# KiCad board KlusterLab r2.0.kicad_pcb (continued)
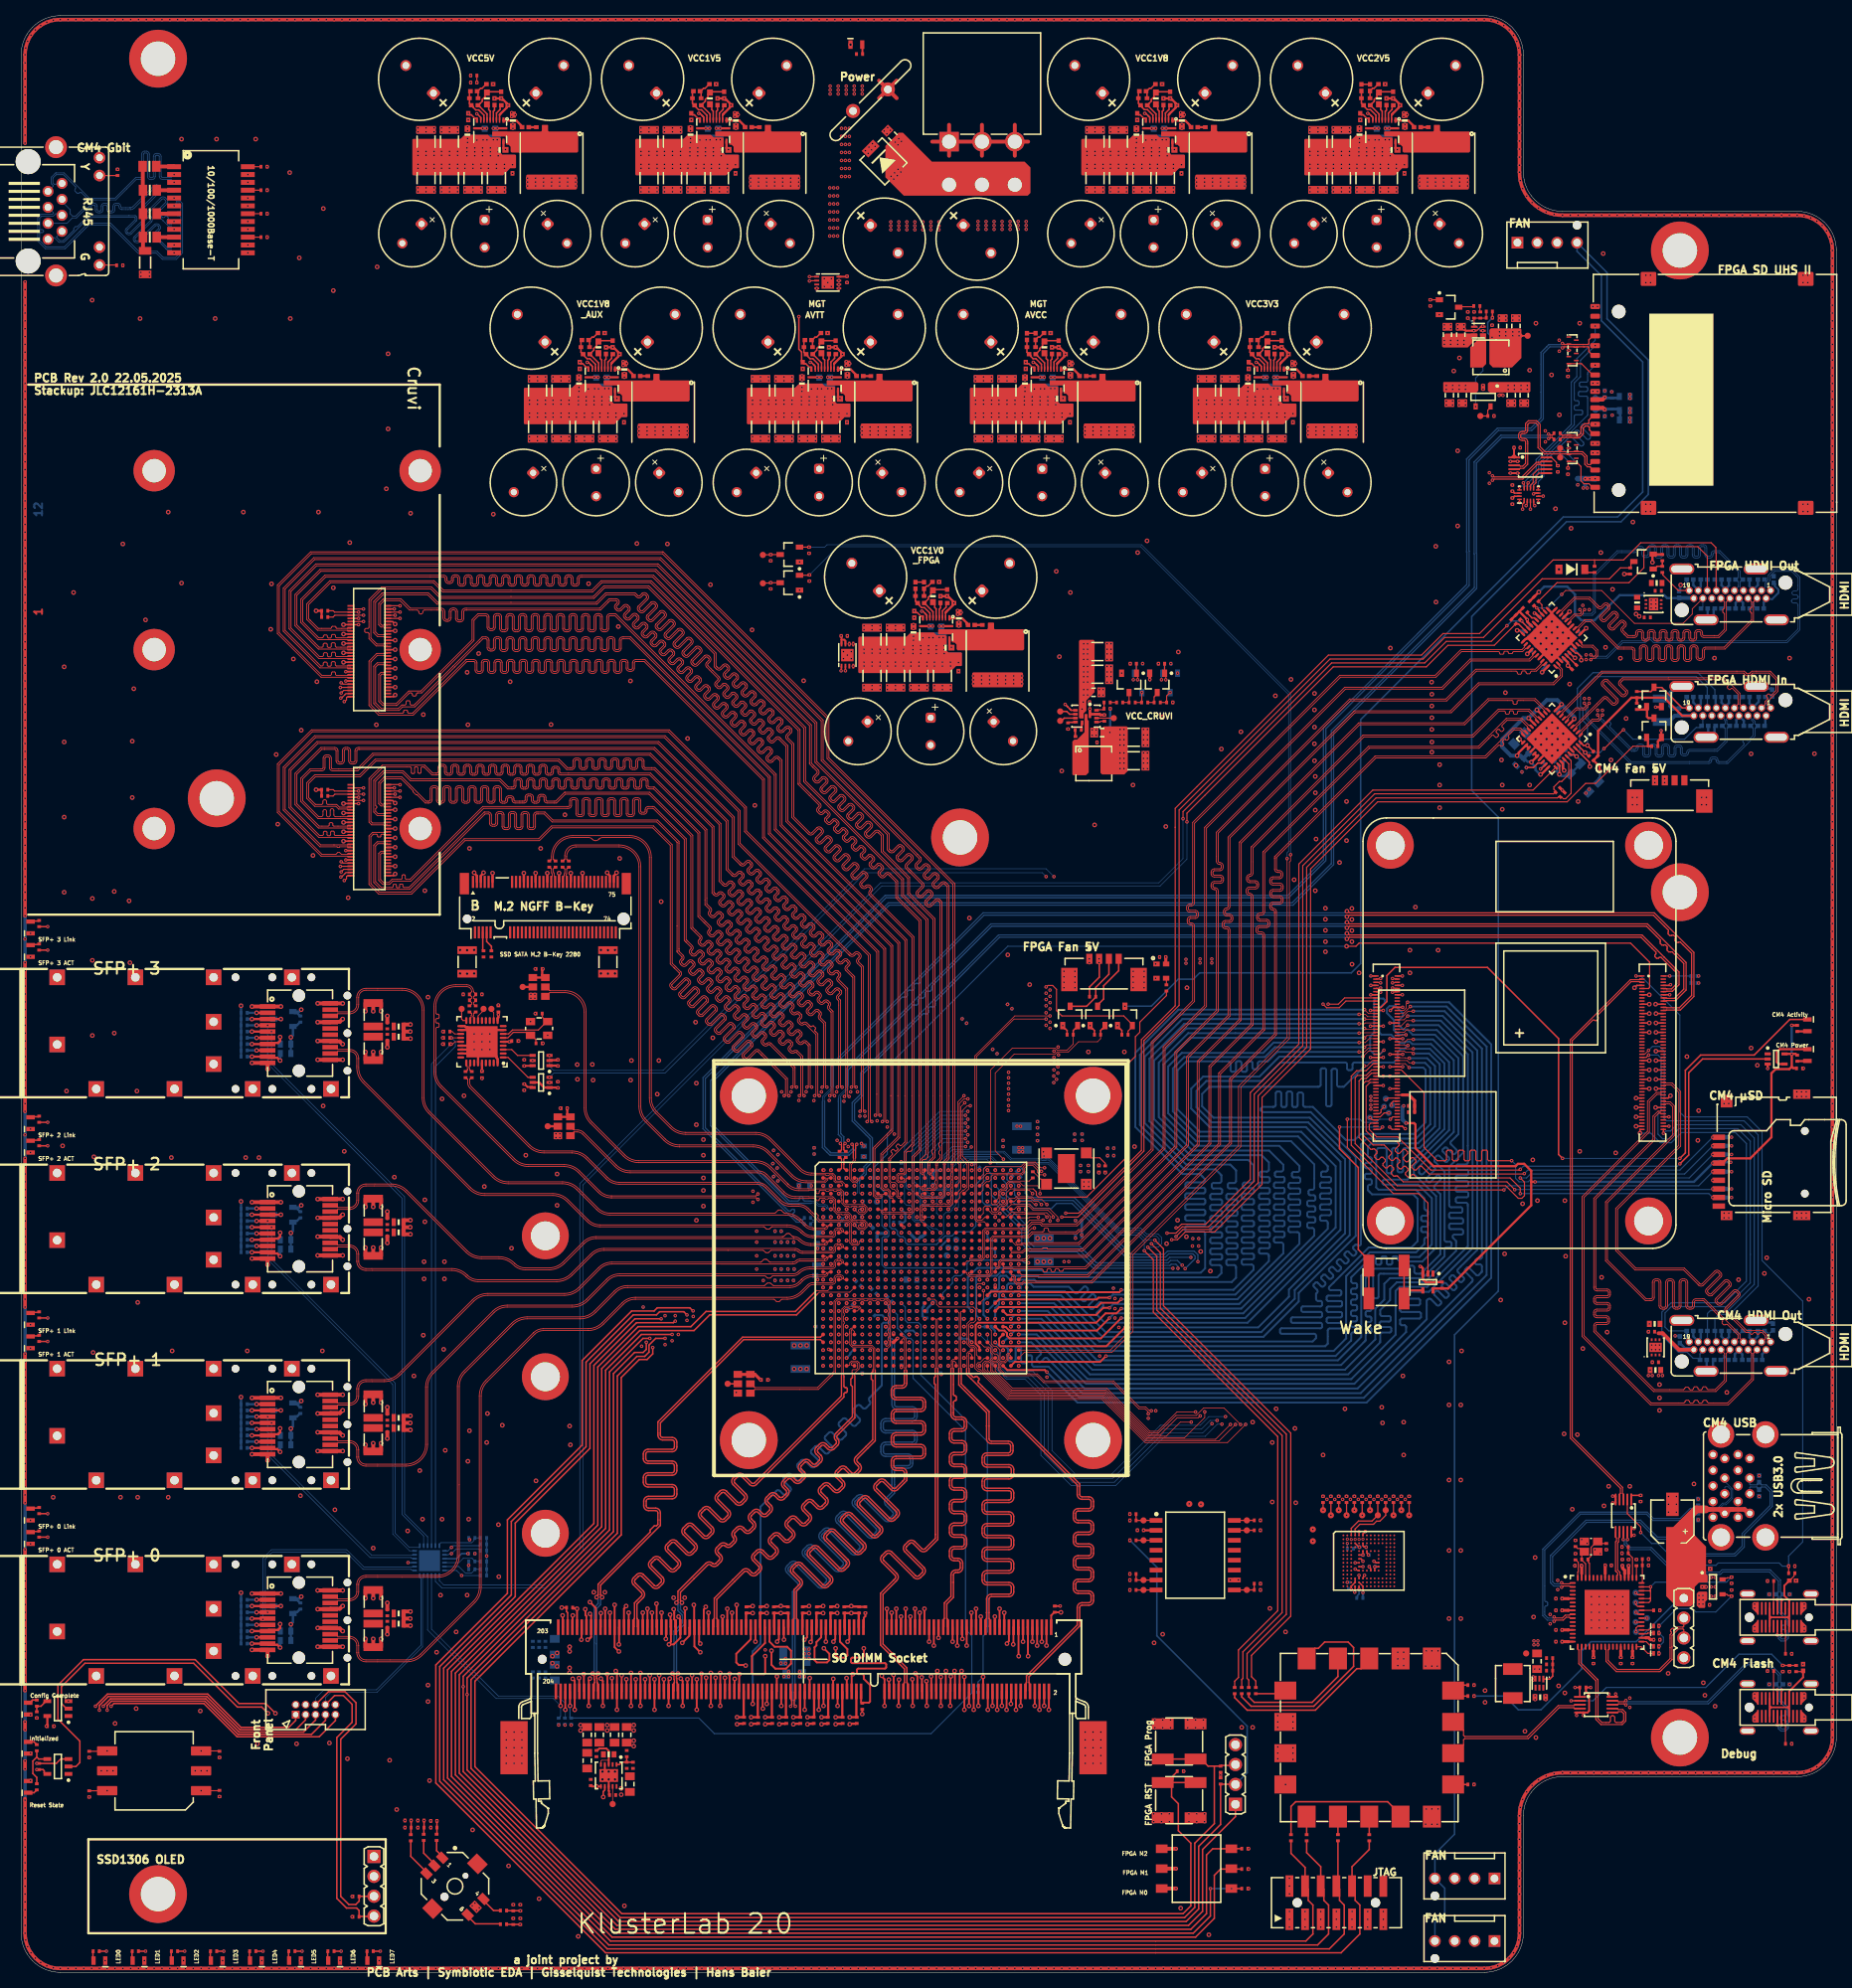
[diagram p0: board, top side]
## Routing (per net, layer and track width the routed paths; a pad name or vN(x,y) marks a point on that pad's centre or on a via; arc(x,y) is an arc through that point) (continued)
DDR3_CLK1_N: length 121.3
  L1 Top w0.189: J1.104 98.43,35.82 98.43,34.84 98.49,34.78 98.49,34.21
  L12 Bottom w0.1: 111.1,80.72 111.1,80.8 110.9,81 110.9,82.04 110.84,82.1 110.73,82.1 110.5,81.87 v1(110.5,81.5)
  L12 Bottom w0.189: 111.1,80.72 111.3,80.52 111.3,72.55 arc(111.48,72.11) 111.91,71.93 113.9,71.93 arc(114.11,71.85) 114.19,71.64 114.19,71.04 arc(114.11,70.83) 113.9,70.75 110.49,70.75 arc(110.06,70.57) 109.88,70.13 109.88,69.54 arc(110.06,69.11) 110.49,68.93 113.9,68.93 arc(114.11,68.84) 114.19,68.63 114.19,68.04 arc(114.11,67.82) 113.9,67.74 110.49,67.74 arc(110.06,67.56) 109.88,67.13 109.88,66.53 arc(110.06,66.1) 110.49,65.92 113.35,65.92 arc(113.56,65.83) 113.64,65.62 113.64,65.03 arc(113.56,64.82) 113.35,64.73 111.91,64.73 arc(111.48,64.55) 111.3,64.12 111.3,61.35 110.52,60.56 arc(110.34,60.13) 110.52,59.7 111.39,58.82 arc(111.48,58.61) 111.39,58.4 110.97,57.98 arc(110.76,57.89) 110.55,57.98 110.55,57.98 107.68,60.86 arc(107.24,61.04) 106.81,60.86 106.39,60.44 arc(106.21,60) 106.39,59.57 109.26,56.69 arc(109.35,56.48) 109.26,56.27 108.84,55.85 arc(108.63,55.77) 108.42,55.85 105.55,58.73 arc(105.12,58.91) 104.68,58.73 104.26,58.31 arc(104.08,57.88) 104.26,57.44 107.14,54.57 arc(107.22,54.36) 107.14,54.15 106.72,53.73 arc(106.51,53.64) 106.3,53.73 103.42,56.6 arc(102.99,56.78) 102.56,56.6 102.14,56.18 arc(101.96,55.75) 102.14,55.32 105.01,52.44 arc(105.1,52.23) 105.01,52.02 104.59,51.6 arc(104.38,51.51) 104.17,51.6 101.29,54.47 arc(100.86,54.65) 100.43,54.47 100.01,54.05 arc(99.83,53.62) 100.01,53.19 102.88,50.31 arc(102.97,50.1) 102.88,49.89 102.46,49.47 arc(102.25,49.39) 102.04,49.47 99.17,52.35 arc(98.73,52.53) 98.3,52.35 97.88,51.93 arc(97.7,51.49) 97.88,51.06 99.24,49.7 arc(99.32,49.49) 99.24,49.28 98.58,48.63 98.58,34.79 98.49,34.7 98.49,34.21 98.35,34.07 v1(98.35,34)
DDR3_CLK1_P: length 121.3
  L1 Top w0.189: 98.81,34.21 98.81,34.78 98.87,34.84 98.87,35.82 J1.102
  L12 Bottom w0.1: v1(110.5,82.5) 110.56,82.5 110.76,82.3 110.92,82.3 111.1,82.12 111.1,81.67 111.1,81.08 111.24,80.94 111.32,80.94
  L12 Bottom w0.189: 111.32,80.94 111.62,80.65 111.62,72.55 arc(111.7,72.34) 111.91,72.25 113.9,72.25 arc(114.33,72.07) 114.51,71.64 114.51,71.04 arc(114.33,70.61) 113.9,70.43 110.49,70.43 arc(110.28,70.34) 110.19,70.13 110.19,69.54 arc(110.28,69.33) 110.49,69.24 113.9,69.24 arc(114.33,69.06) 114.51,68.63 114.51,68.04 arc(114.33,67.6) 113.9,67.42 110.49,67.42 arc(110.28,67.34) 110.19,67.13 110.19,66.53 arc(110.28,66.32) 110.49,66.23 113.35,66.23 arc(113.78,66.05) 113.96,65.62 113.96,65.03 arc(113.78,64.59) 113.35,64.41 111.91,64.41 arc(111.7,64.33) 111.62,64.12 111.62,61.22 110.74,60.34 arc(110.65,60.13) 110.74,59.92 111.61,59.04 arc(111.79,58.61) 111.61,58.18 111.19,57.76 arc(110.76,57.58) 110.33,57.76 107.45,60.63 arc(107.24,60.72) 107.03,60.63 106.61,60.21 arc(106.53,60) 106.61,59.79 109.49,56.92 arc(109.67,56.48) 109.49,56.05 109.07,55.63 arc(108.63,55.45) 108.2,55.63 105.33,58.51 arc(105.12,58.59) 104.91,58.51 104.49,58.09 arc(104.4,57.88) 104.49,57.67 107.36,54.79 arc(107.54,54.36) 107.36,53.92 106.94,53.5 arc(106.51,53.32) 106.07,53.5 103.2,56.38 arc(102.99,56.47) 102.78,56.38 102.36,55.96 arc(102.27,55.75) 102.36,55.54 105.23,52.66 arc(105.41,52.23) 105.23,51.8 104.81,51.38 arc(104.38,51.2) 103.95,51.38 101.07,54.25 arc(100.86,54.34) 100.65,54.25 100.23,53.83 arc(100.14,53.62) 100.23,53.41 103.11,50.54 arc(103.29,50.1) 103.11,49.67 102.69,49.25 arc(102.25,49.07) 101.82,49.25 98.94,52.12 arc(98.73,52.21) 98.52,52.12 98.1,51.7 arc(98.02,51.49) 98.1,51.28 99.46,49.93 arc(99.64,49.49) 99.46,49.06 98.9,48.5 98.9,34.66 98.81,34.57 98.81,34.21 98.95,34.07 v1(98.95,34)
DDR3_D0: length 91
  L1 Top w0.249: v2(130.45,42.25) J1.5
  L3 Inner2 (Sig) w0.154: v1(118.5,81.5) 119,82 121.8,82 122,81.8 122,81.3 122.3,81 125.6,81 126,80.6 126,80.4 126.7,79.7 126.7,79.32 arc(126.75,79.21) 126.85,79.17 128.25,79.17 arc(128.35,79.12) 128.4,79.02 128.4,78.72 arc(128.35,78.61) 128.25,78.56 126.21,78.56 arc(126.1,78.52) 126.06,78.41 126.06,78.11 arc(126.1,78.01) 126.21,77.96 126.95,77.96 arc(127.06,77.92) 127.1,77.81 127.1,77.51 arc(127.06,77.4) 126.95,77.36 126.85,77.36 arc(126.75,77.31) 126.7,77.2 126.7,76.4 127.17,75.93 arc(127.28,75.88) 127.39,75.93 127.68,76.21 arc(127.78,76.26) 127.89,76.21 128.1,76 arc(128.15,75.89) 128.1,75.78 127.7,75.38 arc(127.66,75.27) 127.7,75.17 127.91,74.95 arc(128.02,74.91) 128.13,74.95 128.53,75.36 arc(128.64,75.4) 128.74,75.36 128.96,75.14 arc(129,75.04) 128.96,74.93 128.55,74.53 arc(128.51,74.42) 128.55,74.31 128.77,74.1 arc(128.87,74.06) 128.98,74.1 129.38,74.5 arc(129.49,74.55) 129.6,74.5 129.81,74.29 arc(129.86,74.18) 129.81,74.08 129.41,73.67 arc(129.36,73.57) 129.41,73.46 129.62,73.25 arc(129.73,73.2) 129.84,73.25 130.24,73.65 arc(130.34,73.69) 130.45,73.65 130.67,73.44 arc(130.71,73.33) 130.67,73.22 130.38,72.94 arc(130.34,72.83) 130.38,72.72 130.86,72.24 ; v2(130.45,42.25) 130.9,42.7 ; 130.9,42.7 130.9,72.2 130.9,42.7
DDR3_D1: length 58.2
  L1 Top w0.249: v2(129.85,41.75) J1.7
  L3 Inner2 (Sig) w0.154: v2(129.85,41.75) 129.85,43.81 arc(129.9,43.92) 130,43.96 130.08,43.96 arc(130.19,44.01) 130.23,44.11 130.23,44.41 arc(130.19,44.52) 130.08,44.57 129.98,44.57 arc(129.88,44.61) 129.83,44.72 129.83,45.02 arc(129.88,45.13) 129.98,45.17 130.2,45.17 arc(130.31,45.21) 130.35,45.32 130.35,45.62 arc(130.31,45.73) 130.2,45.77 129.98,45.77 arc(129.88,45.82) 129.83,45.92 129.83,46.23 arc(129.88,46.33) 129.98,46.38 130.2,46.38 arc(130.31,46.42) 130.35,46.53 130.35,46.83 arc(130.31,46.94) 130.2,46.98 130,46.98 arc(129.9,47.03) 129.85,47.14 129.85,48.15 128,50 128,72.7 127.52,73.18 arc(127.47,73.29) 127.52,73.4 128.04,73.93 arc(128.09,74.03) 128.04,74.14 127.83,74.36 arc(127.72,74.4) 127.62,74.36 126.98,73.72 arc(126.88,73.68) 126.77,73.72 126.56,73.94 arc(126.51,74.04) 126.56,74.15 127.19,74.78 arc(127.23,74.89) 127.19,75 126.98,75.21 arc(126.87,75.25) 126.76,75.21 126.13,74.58 arc(126.02,74.53) 125.92,74.58 125.7,74.79 arc(125.66,74.9) 125.7,75 126.34,75.64 arc(126.38,75.74) 126.34,75.85 126.12,76.06 arc(126.02,76.11) 125.91,76.06 125.38,75.54 arc(125.27,75.49) 125.16,75.54 125,75.7 125,76.04 arc(125.05,76.14) 125.15,76.19 125.35,76.19 arc(125.46,76.23) 125.5,76.34 125.5,76.64 arc(125.46,76.75) 125.35,76.79 125.1,76.79 arc(124.99,76.84) 124.95,76.95 124.95,77.25 arc(124.99,77.35) 125.1,77.4 125.35,77.4 arc(125.46,77.44) 125.5,77.55 125.5,77.85 arc(125.46,77.96) 125.35,78 125.15,78 arc(125.05,78.05) 125,78.16 125,79.57 124.57,80 124.4,80 123.8,80.6 122.2,80.6 121.8,81 120,81 v1(119.5,80.5)
DDR3_D2: length 61.7
  L1 Top w0.249: v2(127.5,40.4) 127.48,40.43 127.48,44.08 J1.15
  L3 Inner2 (Sig) w0.154: v2(127.5,40.4) 127.94,39.96 127.94,38.14 127.8,38 127.2,38 127,38.2 127,39 126.4,39.6 126.4,40.5 127.45,41.55 127.45,42.95 128,43.5 128,44.32 arc(127.95,44.43) 127.85,44.48 127.81,44.48 arc(127.7,44.52) 127.66,44.63 127.66,44.93 arc(127.7,45.03) 127.81,45.08 128.13,45.08 arc(128.24,45.12) 128.28,45.23 128.28,45.53 arc(128.24,45.64) 128.13,45.68 127.81,45.68 arc(127.7,45.73) 127.66,45.83 127.66,46.14 arc(127.7,46.24) 127.81,46.29 127.85,46.29 arc(127.95,46.33) 128,46.44 128,48.3 127,49.3 127,71.2 126.56,71.64 arc(126.51,71.75) 126.56,71.86 126.8,72.1 arc(126.84,72.2) 126.8,72.31 126.58,72.52 arc(126.47,72.57) 126.37,72.52 125.99,72.14 arc(125.88,72.1) 125.77,72.14 125.56,72.36 arc(125.51,72.46) 125.56,72.57 125.96,72.98 arc(126.01,73.08) 125.96,73.19 125.75,73.4 arc(125.64,73.45) 125.54,73.4 125.13,73 arc(125.03,72.95) 124.92,73 124.7,73.21 arc(124.66,73.32) 124.7,73.42 125.11,73.83 arc(125.15,73.94) 125.11,74.04 124.9,74.26 arc(124.79,74.3) 124.68,74.26 124.42,74 arc(124.31,73.95) 124.2,74 124,74.2 124,78.2 122.9,79.3 121.5,79.3 120.8,80 119.3,80 118.82,80.48 118.52,80.48 v1(118.5,80.5)
DDR3_D3: length 59.2
  L1 Top w0.249: v2(126.8,41.9) 126.83,41.93 126.83,44.07 J1.17
  L3 Inner2 (Sig) w0.154: v2(126.8,41.9) 126.85,41.95 126.85,43.28 arc(126.8,43.39) 126.7,43.44 124.91,43.44 arc(124.8,43.48) 124.76,43.59 124.76,43.89 arc(124.8,44) 124.91,44.04 127.05,44.04 arc(127.15,44.08) 127.2,44.19 127.2,44.49 arc(127.15,44.6) 127.05,44.64 125.07,44.64 arc(124.97,44.69) 124.92,44.8 124.92,45.1 arc(124.97,45.2) 125.07,45.25 127.18,45.25 arc(127.29,45.29) 127.34,45.4 127.34,45.7 arc(127.29,45.81) 127.18,45.85 126.28,45.85 arc(126.17,45.9) 126.13,46 126.13,46.31 arc(126.17,46.41) 126.28,46.46 127.18,46.46 arc(127.29,46.5) 127.34,46.61 127.34,46.91 arc(127.29,47.02) 127.18,47.06 125.08,47.06 arc(124.97,47.11) 124.92,47.21 124.92,47.51 arc(124.97,47.62) 125.08,47.66 127.18,47.66 arc(127.29,47.71) 127.34,47.82 127.34,48.12 arc(127.29,48.22) 127.18,48.27 127,48.27 arc(126.9,48.31) 126.85,48.42 126.85,48.75 126.5,49.1 126.5,70.4 123.5,73.4 123.5,78.2 122.8,78.9 121.5,78.9 120.96,79.44 120.56,79.44 v1(120.5,79.5)
DDR3_D4: length 60.7
  L1 Top w0.249: v2(130.75,34.05) J1.4
  L3 Inner2 (Sig) w0.154: v1(120.5,82.5) 121,83 125.1,83 126.1,82 127.7,82 132.1,77.6 132.1,41 130.75,39.65 130.75,39.32 arc(130.8,39.21) 130.9,39.17 131.05,39.17 arc(131.16,39.12) 131.21,39.02 131.21,38.72 arc(131.16,38.61) 131.05,38.56 130.9,38.56 arc(130.8,38.52) 130.75,38.41 v2(130.75,34.05)
DDR3_D5: length 58.8
  L1 Top w0.249: v2(130.15,33.55) J1.6
  L3 Inner2 (Sig) w0.154: v2(130.15,33.55) 130.15,39.75 131.6,41.2 131.6,77.1 127.7,81 126.2,81 125.2,82 122.3,82 121.82,82.48 121.52,82.48 v1(121.5,82.5)
DDR3_D6: length 58.1
  L1 Top w0.249: v2(127.15,33.55) J1.16
  L3 Inner2 (Sig) w0.154: v1(119.5,79.5) 120,79 120.8,79 121.35,78.45 122.45,78.45 123,77.9 123,72.7 126,69.7 126,49.1 123.9,47 123.9,40.6 124.15,40.35 arc(124.26,40.3) 124.37,40.35 124.51,40.48 arc(124.62,40.53) 124.72,40.48 124.94,40.27 arc(124.98,40.16) 124.94,40.06 124.44,39.56 arc(124.4,39.46) 124.44,39.35 124.66,39.14 arc(124.76,39.09) 124.87,39.14 125.36,39.63 arc(125.47,39.67) 125.58,39.63 125.79,39.42 arc(125.84,39.31) 125.79,39.2 125.32,38.73 arc(125.28,38.63) 125.32,38.52 125.54,38.31 arc(125.64,38.26) 125.75,38.31 126.08,38.64 arc(126.19,38.68) 126.29,38.64 126.51,38.42 arc(126.55,38.32) 126.51,38.21 arc(126.46,38.1) 126.51,37.99 127.15,37.35 v2(127.15,33.55)
DDR3_D7: length 58.4
  L1 Top w0.249: v2(126.5,34.3) 126.53,34.33 126.53,35.88 J1.18
  L3 Inner2 (Sig) w0.154: v1(117.5,80.5) 118,80 118.7,80 119,79.7 119,79.2 120.2,78 121.7,78 122,77.7 122,72.4 125.5,68.9 125.5,49.5 123.4,47.4 123.4,38.9 124.01,38.29 arc(124.06,38.18) 124.01,38.07 123.63,37.69 arc(123.59,37.58) 123.63,37.48 123.85,37.26 arc(123.95,37.22) 124.06,37.26 124.49,37.69 arc(124.6,37.74) 124.7,37.69 124.92,37.48 arc(124.96,37.37) 124.92,37.27 124.49,36.84 arc(124.44,36.73) 124.49,36.62 124.7,36.41 arc(124.81,36.36) 124.91,36.41 125.35,36.84 arc(125.45,36.88) 125.56,36.84 125.77,36.63 arc(125.82,36.52) 125.77,36.41 125.6,36.24 arc(125.55,36.13) 125.6,36.02 125.81,35.81 arc(125.92,35.77) 126.02,35.81 126.15,35.93 arc(126.26,35.98) 126.37,35.93 126.55,35.75 126.55,34.35 v2(126.5,34.3)
DDR3_D8: length 65.4
  L1 Top w0.249: J1.21 v2(125.65,45.95)
  L10 Inner9 (Sig) w0.154: v2(125.65,45.95) 126.43,46.73 arc(126.54,46.78) 126.65,46.73 128.44,44.94 arc(128.55,44.89) 128.66,44.94 128.87,45.15 arc(128.92,45.26) 128.87,45.36 126.92,47.32 arc(126.88,47.42) 126.92,47.53 127.13,47.74 arc(127.24,47.79) 127.35,47.74 128.93,46.16 arc(129.04,46.11) 129.15,46.16 129.36,46.37 arc(129.4,46.48) 129.36,46.58 127.93,48.01 arc(127.89,48.12) 127.93,48.23 130,50.3 130,83.57 127.57,86 124.3,86 124.1,86.2 120,86.2 119.8,86 118.43,86 117.96,85.52 117.52,85.52 v1(117.5,85.5)
DDR3_D9: length 70.6
  L1 Top w0.249: J1.23 v2(125.05,46.45)
  L10 Inner9 (Sig) w0.154: v1(119.5,85.5) 119.52,85.52 119.82,85.52 120.2,85.9 121.9,85.9 121.9,85.9 122.93,85.9 122.93,85.9 123.9,85.9 124.8,85 127.8,85 129.5,83.3 129.5,62.7 arc(129.45,62.59) 129.35,62.55 129.15,62.55 arc(129.04,62.5) 129,62.39 129,62.09 arc(129.04,61.99) 129.15,61.94 129.39,61.94 arc(129.49,61.9) 129.54,61.79 129.54,61.49 arc(129.49,61.38) 129.39,61.34 129.15,61.34 arc(129.04,61.29) 129,61.19 129,60.88 arc(129.04,60.78) 129.15,60.73 129.39,60.73 arc(129.49,60.69) 129.54,60.58 129.54,60.28 arc(129.49,60.17) 129.39,60.13 129.15,60.13 arc(129.04,60.08) 129,59.98 129,59.68 arc(129.04,59.57) 129.15,59.53 129.39,59.53 arc(129.49,59.48) 129.54,59.37 129.54,59.07 arc(129.49,58.97) 129.39,58.92 129.15,58.92 arc(129.04,58.88) 129,58.77 129,58.47 arc(129.04,58.36) 129.15,58.32 129.39,58.32 arc(129.49,58.27) 129.54,58.17 129.54,57.86 arc(129.49,57.76) 129.39,57.71 129.15,57.71 arc(129.04,57.67) 129,57.56 129,57.26 arc(129.04,57.15) 129.15,57.11 129.39,57.11 arc(129.49,57.06) 129.54,56.96 129.54,56.66 arc(129.49,56.55) 129.39,56.51 129.15,56.51 arc(129.04,56.46) 129,56.35 129,56.05 arc(129.04,55.95) 129.15,55.9 129.39,55.9 arc(129.49,55.86) 129.54,55.75 129.54,55.45 arc(129.49,55.34) 129.39,55.3 129.15,55.3 arc(129.04,55.25) 129,55.15 129,54.84 arc(129.04,54.74) 129.15,54.69 129.39,54.69 arc(129.49,54.65) 129.54,54.54 129.54,54.24 arc(129.49,54.13) 129.39,54.09 129.15,54.09 arc(129.04,54.04) 129,53.94 129,53.64 arc(129.04,53.53) 129.15,53.49 129.35,53.49 arc(129.45,53.44) 129.5,53.33 129.5,53 128.96,52.46 arc(128.91,52.35) 128.96,52.24 129.64,51.56 arc(129.68,51.45) 129.64,51.35 129.43,51.13 arc(129.32,51.09) 129.21,51.13 128.39,51.95 arc(128.29,51.99) 128.18,51.95 127.97,51.74 arc(127.92,51.63) 127.97,51.52 128.97,50.52 arc(129.02,50.41) 128.97,50.3 128.76,50.09 arc(128.65,50.05) 128.55,50.09 127.54,51.1 arc(127.43,51.14) 127.33,51.1 127.11,50.88 arc(127.07,50.78) 127.11,50.67 128.12,49.66 arc(128.16,49.56) 128.12,49.45 127.9,49.24 arc(127.8,49.19) 127.69,49.24 126.69,50.24 arc(126.58,50.29) 126.47,50.24 126.26,50.03 arc(126.22,49.92) 126.26,49.81 127.26,48.81 arc(127.31,48.7) 127.26,48.6 127.05,48.38 arc(126.94,48.34) 126.84,48.38 125.97,49.25 arc(125.86,49.3) 125.75,49.25 125.05,48.55 v2(125.05,46.45)
DDR3_D10: length 66.8
  L1 Top w0.249: J1.33 v2(122.05,46.45)
  L10 Inner9 (Sig) w0.154: v1(121.5,81.5) 121.56,81.44 121.86,81.44 122.3,81 123.6,81 124,80.6 124,76.7 124.8,75.9 124.8,72.43 arc(124.85,72.33) 124.95,72.28 125.2,72.28 arc(125.31,72.24) 125.36,72.13 125.36,71.83 arc(125.31,71.72) 125.2,71.68 124.51,71.68 arc(124.4,71.63) 124.36,71.53 124.36,71.22 arc(124.4,71.12) 124.51,71.07 125.2,71.07 arc(125.31,71.03) 125.36,70.92 125.36,70.62 arc(125.31,70.51) 125.2,70.47 124.51,70.47 arc(124.4,70.42) 124.36,70.32 124.36,70.02 arc(124.4,69.91) 124.51,69.86 125.2,69.86 arc(125.31,69.82) 125.36,69.71 125.36,69.41 arc(125.31,69.3) 125.2,69.26 124.51,69.26 arc(124.4,69.22) 124.36,69.11 124.36,68.81 arc(124.4,68.7) 124.51,68.66 125.2,68.66 arc(125.31,68.61) 125.36,68.51 125.36,68.2 arc(125.31,68.1) 125.2,68.05 124.51,68.05 arc(124.4,68.01) 124.36,67.9 124.36,67.6 arc(124.4,67.49) 124.51,67.45 125.2,67.45 arc(125.31,67.4) 125.36,67.3 125.36,67 arc(125.31,66.89) 125.2,66.84 124.51,66.84 arc(124.4,66.8) 124.36,66.69 124.36,66.39 arc(124.4,66.28) 124.51,66.24 125.2,66.24 arc(125.31,66.2) 125.36,66.09 125.36,65.79 arc(125.31,65.68) 125.2,65.64 124.51,65.64 arc(124.4,65.59) 124.36,65.49 124.36,65.18 arc(124.4,65.08) 124.51,65.03 125.2,65.03 arc(125.31,64.99) 125.36,64.88 125.36,64.58 arc(125.31,64.47) 125.2,64.43 124.51,64.43 arc(124.4,64.38) 124.36,64.28 124.36,63.98 arc(124.4,63.87) 124.51,63.82 125.2,63.82 arc(125.31,63.78) 125.36,63.67 125.36,63.37 arc(125.31,63.26) 125.2,63.22 124.51,63.22 arc(124.4,63.18) 124.36,63.07 124.36,62.77 arc(124.4,62.66) 124.51,62.62 125.2,62.62 arc(125.31,62.57) 125.36,62.47 125.36,62.16 arc(125.31,62.06) 125.2,62.01 124.51,62.01 arc(124.4,61.97) 124.36,61.86 124.36,61.56 arc(124.4,61.45) 124.51,61.41 125.2,61.41 arc(125.31,61.36) 125.36,61.26 125.36,60.96 arc(125.31,60.85) 125.2,60.8 124.51,60.8 arc(124.4,60.76) 124.36,60.65 124.36,60.35 arc(124.4,60.24) 124.51,60.2 125.2,60.2 arc(125.31,60.16) 125.36,60.05 125.36,59.75 arc(125.31,59.64) 125.2,59.6 124.51,59.6 arc(124.4,59.55) 124.36,59.45 124.36,59.14 arc(124.4,59.04) 124.51,58.99 125.2,58.99 arc(125.31,58.95) 125.36,58.84 125.36,58.54 arc(125.31,58.43) 125.2,58.39 124.51,58.39 arc(124.4,58.34) 124.36,58.24 124.36,57.94 arc(124.4,57.83) 124.51,57.78 125.2,57.78 arc(125.31,57.74) 125.36,57.63 125.36,57.33 arc(125.31,57.22) 125.2,57.18 124.51,57.18 arc(124.4,57.14) 124.36,57.03 124.36,56.73 arc(124.4,56.62) 124.51,56.58 125.2,56.58 arc(125.31,56.53) 125.36,56.43 125.36,56.12 arc(125.31,56.02) 125.2,55.97 124.51,55.97 arc(124.4,55.93) 124.36,55.82 124.36,55.52 arc(124.4,55.41) 124.51,55.37 125.2,55.37 arc(125.31,55.32) 125.36,55.22 125.36,54.92 arc(125.31,54.81) 125.2,54.76 124.51,54.76 arc(124.4,54.72) 124.36,54.61 124.36,54.31 arc(124.4,54.2) 124.51,54.16 124.65,54.16 arc(124.75,54.11) 124.8,54.01 124.8,53.6 122.05,50.85 v2(122.05,46.45)
DDR3_D11: length 68.3
  L1 Top w0.249: J1.35 v2(121.45,45.95)
  L10 Inner9 (Sig) w0.154: v2(121.45,45.95) 121.45,51.25 123.5,53.3 123.5,54.08 arc(123.45,54.19) 123.35,54.23 122.68,54.23 arc(122.58,54.28) 122.53,54.38 122.53,54.68 arc(122.58,54.79) 122.68,54.84 123.49,54.84 arc(123.6,54.88) 123.64,54.99 123.64,55.29 arc(123.6,55.39) 123.49,55.44 122.68,55.44 arc(122.58,55.48) 122.53,55.59 122.53,55.89 arc(122.58,56) 122.68,56.04 123.49,56.04 arc(123.6,56.09) 123.64,56.19 123.64,56.5 arc(123.6,56.6) 123.49,56.65 122.68,56.65 arc(122.58,56.69) 122.53,56.8 122.53,57.1 arc(122.58,57.21) 122.68,57.25 123.49,57.25 arc(123.6,57.3) 123.64,57.4 123.64,57.7 arc(123.6,57.81) 123.49,57.86 122.68,57.86 arc(122.58,57.9) 122.53,58.01 122.53,58.31 arc(122.58,58.41) 122.68,58.46 123.49,58.46 arc(123.6,58.5) 123.64,58.61 123.64,58.91 arc(123.6,59.02) 123.49,59.06 122.68,59.06 arc(122.58,59.11) 122.53,59.21 122.53,59.52 arc(122.58,59.62) 122.68,59.67 123.49,59.67 arc(123.6,59.71) 123.64,59.82 123.64,60.12 arc(123.6,60.23) 123.49,60.27 122.68,60.27 arc(122.58,60.32) 122.53,60.42 122.53,60.72 arc(122.58,60.83) 122.68,60.88 123.49,60.88 arc(123.6,60.92) 123.64,61.03 123.64,61.33 arc(123.6,61.43) 123.49,61.48 122.68,61.48 arc(122.58,61.52) 122.53,61.63 122.53,61.93 arc(122.58,62.04) 122.68,62.08 123.49,62.08 arc(123.6,62.13) 123.64,62.23 123.64,62.54 arc(123.6,62.64) 123.49,62.69 122.68,62.69 arc(122.58,62.73) 122.53,62.84 122.53,63.14 arc(122.58,63.25) 122.68,63.29 123.49,63.29 arc(123.6,63.34) 123.64,63.44 123.64,63.74 arc(123.6,63.85) 123.49,63.9 122.68,63.9 arc(122.58,63.94) 122.53,64.05 122.53,64.35 arc(122.58,64.45) 122.68,64.5 123.49,64.5 arc(123.6,64.54) 123.64,64.65 123.64,64.95 arc(123.6,65.06) 123.49,65.1 122.68,65.1 arc(122.58,65.15) 122.53,65.25 122.53,65.56 arc(122.58,65.66) 122.68,65.71 123.49,65.71 arc(123.6,65.75) 123.64,65.86 123.64,66.16 arc(123.6,66.27) 123.49,66.31 122.68,66.31 arc(122.58,66.36) 122.53,66.46 122.53,66.76 arc(122.58,66.87) 122.68,66.92 123.49,66.92 arc(123.6,66.96) 123.64,67.07 123.64,67.37 arc(123.6,67.47) 123.49,67.52 122.68,67.52 arc(122.58,67.56) 122.53,67.67 122.53,67.97 arc(122.58,68.08) 122.68,68.12 123.49,68.12 arc(123.6,68.17) 123.64,68.27 123.64,68.58 arc(123.6,68.68) 123.49,68.73 122.68,68.73 arc(122.58,68.77) 122.53,68.88 122.53,69.18 arc(122.58,69.29) 122.68,69.33 123.49,69.33 arc(123.6,69.38) 123.64,69.48 123.64,69.78 arc(123.6,69.89) 123.49,69.94 122.68,69.94 arc(122.58,69.98) 122.53,70.09 122.53,70.39 arc(122.58,70.49) 122.68,70.54 123.49,70.54 arc(123.6,70.58) 123.64,70.69 123.64,70.99 arc(123.6,71.1) 123.49,71.14 123.05,71.14 arc(122.94,71.19) 122.9,71.29 122.9,71.6 arc(122.94,71.7) 123.05,71.75 123.35,71.75 arc(123.45,71.79) 123.5,71.9 123.5,78.7 122.95,79.25 122.95,79.85 121.8,81 121.3,81 120.86,81.44 120.56,81.44 v1(120.5,81.5)
DDR3_D12: length 71.3
  L1 Top w0.249: v2(125.35,34.05) J1.22
  L10 Inner9 (Sig) w0.154: v1(116.5,84.5) 117,85 117,86.2 117.65,86.85 118,86.85 118.15,87 119.7,87 120.1,86.6 124,86.6 124.4,87 127.6,87 130.5,84.1 130.5,45.7 127.5,42.7 127.5,41.3 125.35,39.15 v2(125.35,34.05)
DDR3_D13: length 70.3
  L1 Top w0.249: v2(124.75,33.55) J1.24
  L10 Inner9 (Sig) w0.154: v1(120.5,85.5) 120.52,85.48 120.82,85.48 121.3,85 124,85 124.5,84.5 125.9,84.5 126.4,84 127.8,84 129,82.8 129,74.65 arc(128.95,74.54) 128.85,74.5 128.65,74.5 arc(128.54,74.45) 128.5,74.35 128.5,74.05 arc(128.54,73.94) 128.65,73.89 128.85,73.89 arc(128.96,73.85) 129,73.74 129,73.44 arc(128.96,73.33) 128.85,73.29 128.65,73.29 arc(128.54,73.25) 128.5,73.14 128.5,72.84 arc(128.54,72.73) 128.65,72.69 128.85,72.69 arc(128.96,72.64) 129,72.54 129,72.23 arc(128.96,72.13) 128.85,72.08 128.65,72.08 arc(128.54,72.04) 128.5,71.93 128.5,71.63 arc(128.54,71.52) 128.65,71.48 128.85,71.48 arc(128.96,71.43) 129,71.33 129,71.03 arc(128.96,70.92) 128.85,70.87 128.65,70.87 arc(128.54,70.83) 128.5,70.72 128.5,70.42 arc(128.54,70.31) 128.65,70.27 128.85,70.27 arc(128.96,70.23) 129,70.12 129,69.82 arc(128.96,69.71) 128.85,69.67 128.65,69.67 arc(128.54,69.62) 128.5,69.52 128.5,69.21 arc(128.54,69.11) 128.65,69.06 128.85,69.06 arc(128.96,69.02) 129,68.91 129,68.61 arc(128.96,68.5) 128.85,68.46 128.65,68.46 arc(128.54,68.41) 128.5,68.31 128.5,68.01 arc(128.54,67.9) 128.65,67.85 128.85,67.85 arc(128.96,67.81) 129,67.7 129,67.4 arc(128.96,67.29) 128.85,67.25 128.65,67.25 arc(128.54,67.21) 128.5,67.1 128.5,66.8 arc(128.54,66.69) 128.65,66.65 128.85,66.65 arc(128.96,66.6) 129,66.5 129,66.19 arc(128.96,66.09) 128.85,66.04 128.65,66.04 arc(128.54,66) 128.5,65.89 128.5,65.59 arc(128.54,65.48) 128.65,65.44 128.85,65.44 arc(128.96,65.39) 129,65.29 129,64.99 arc(128.96,64.88) 128.85,64.83 128.65,64.83 arc(128.54,64.79) 128.5,64.68 128.5,64.38 arc(128.54,64.27) 128.65,64.23 128.85,64.23 arc(128.95,64.19) 129,64.08 129,63.5 128.5,63 128.5,53.2 124.5,49.2 124.5,46.14 125.2,45.44 125.2,39.9 124.75,39.45 v2(124.75,33.55)
DDR3_D14: length 71.5
  L1 Top w0.249: v2(121.75,33.55) J1.34
  L10 Inner9 (Sig) w0.154: v2(121.75,33.55) 121.75,40.85 123.2,42.3 123.2,50 127.3,54.1 127.3,69.46 arc(127.25,69.57) 127.15,69.61 127.05,69.61 arc(126.94,69.65) 126.9,69.76 126.9,70.06 arc(126.94,70.17) 127.05,70.21 127.26,70.21 arc(127.36,70.26) 127.41,70.37 127.41,70.67 arc(127.36,70.77) 127.26,70.82 127.05,70.82 arc(126.94,70.86) 126.9,70.97 126.9,71.27 arc(126.94,71.38) 127.05,71.42 127.26,71.42 arc(127.36,71.47) 127.41,71.57 127.41,71.88 arc(127.36,71.98) 127.26,72.03 127.06,72.03 arc(126.95,72.07) 126.9,72.18 126.9,72.48 arc(126.95,72.59) 127.06,72.63 127.26,72.63 arc(127.36,72.68) 127.41,72.78 127.41,73.08 arc(127.36,73.19) 127.26,73.23 arc(127.15,73.28) 127.11,73.39 127.11,73.69 arc(127.15,73.79) 127.26,73.84 arc(127.36,73.88) 127.41,73.99 127.41,74.29 arc(127.36,74.4) 127.26,74.44 127.15,74.44 arc(127.04,74.49) 126.99,74.59 126.99,74.9 arc(127.04,75) 127.15,75.05 arc(127.25,75.09) 127.3,75.2 127.3,76.1 126.5,76.9 126.5,77.51 arc(126.45,77.62) 126.35,77.66 126.14,77.66 arc(126.03,77.71) 125.99,77.81 125.99,78.11 arc(126.03,78.22) 126.14,78.26 127.25,78.26 arc(127.35,78.31) 127.4,78.42 127.4,78.72 arc(127.35,78.82) 127.25,78.87 126.65,78.87 arc(126.55,78.91) 126.5,79.02 126.5,79.3 127.1,79.9 127.6,79.9 128,80.3 128,81.7 127.7,82 126,82 125,83 122.3,83 121.8,83.5 121.5,83.5 120.3,84.7 119.2,84.7 118.9,85 118,85 v1(117.5,84.5)
DDR3_D15: length 68.1
  L1 Top w0.249: v2(121.15,34.05) J1.36
  L10 Inner9 (Sig) w0.154: v1(118.5,83.5) 119,84 120.6,84 121,83.6 121,83.4 121.4,83 121.7,83 122,82.7 122,82.3 122.3,82 124.7,82 125,81.7 125,76.8 126.3,75.5 126.3,66.6 arc(126.35,66.49) 126.45,66.44 arc(126.56,66.4) 126.61,66.29 126.61,65.99 arc(126.56,65.88) 126.45,65.84 126.3,65.84 arc(126.19,65.79) 126.15,65.69 126.15,65.39 arc(126.19,65.28) 126.3,65.23 126.42,65.23 arc(126.52,65.19) 126.57,65.08 126.57,64.78 arc(126.52,64.67) 126.42,64.63 126.15,64.63 arc(126.04,64.59) 126,64.48 126,64.18 arc(126.04,64.07) 126.15,64.03 126.47,64.03 arc(126.58,63.98) 126.63,63.88 126.63,63.57 arc(126.58,63.47) 126.47,63.42 126.15,63.42 arc(126.04,63.38) 126,63.27 126,62.97 arc(126.04,62.86) 126.15,62.82 126.47,62.82 arc(126.58,62.77) 126.63,62.67 126.63,62.37 arc(126.58,62.26) 126.47,62.21 126.15,62.21 arc(126.04,62.17) 126,62.06 126,61.76 arc(126.04,61.65) 126.15,61.61 126.47,61.61 arc(126.58,61.57) 126.63,61.46 126.63,61.16 arc(126.58,61.05) 126.47,61.01 126.15,61.01 arc(126.04,60.96) 126,60.86 126,60.55 arc(126.04,60.45) 126.15,60.4 126.47,60.4 arc(126.58,60.36) 126.63,60.25 126.63,59.95 arc(126.58,59.84) 126.47,59.8 126.15,59.8 arc(126.04,59.75) 126,59.65 126,59.35 arc(126.04,59.24) 126.15,59.19 126.47,59.19 arc(126.58,59.15) 126.63,59.04 126.63,58.74 arc(126.58,58.63) 126.47,58.59 126.15,58.59 arc(126.04,58.55) 126,58.44 126,58.14 arc(126.04,58.03) 126.15,57.99 126.47,57.99 arc(126.58,57.94) 126.63,57.84 126.63,57.53 arc(126.58,57.43) 126.47,57.38 126.15,57.38 arc(126.04,57.34) 126,57.23 126,56.93 arc(126.04,56.82) 126.15,56.78 126.47,56.78 arc(126.58,56.73) 126.63,56.63 126.63,56.33 arc(126.58,56.22) 126.47,56.17 126.45,56.17 arc(126.35,56.13) 126.3,56.02 126.3,54.1 122.6,50.4 122.6,46.2 121.86,45.46 121.86,42.02 121.15,41.31 v2(121.15,34.05)
DDR3_D16: length 46.9
  L1 Top w0.249: v2(120.3,42.6) 120.28,42.63 120.28,44.08 J1.39